# Altium PCB 2.PcbDoc (part 21 of 22)
Units mm, origin at the board's own origin, x right, y up, seen from the top; angles counter-clockwise.
Board outline 175 x 155 mm, 16 copper layers (1_Top, 2_int1_(gnd), 3_int2_(power), 4_int3_(gnd), 5_int4_(sign), 6_int5_(power), 7_int6_(sign), 8_int7_(power), 9_int8_(gnd), 10_int9_(sign), 11_int10_(gnd), 12_int11_(sign), 13_int12_(gnd), 14_int13_(power), 15_int14_(gnd), 16_Bottom), stack 2.008 mm thick; 1046 components, 837 nets, 6010 pads, 4016 vias.
Unrouted connection lines stored in the file: 564.
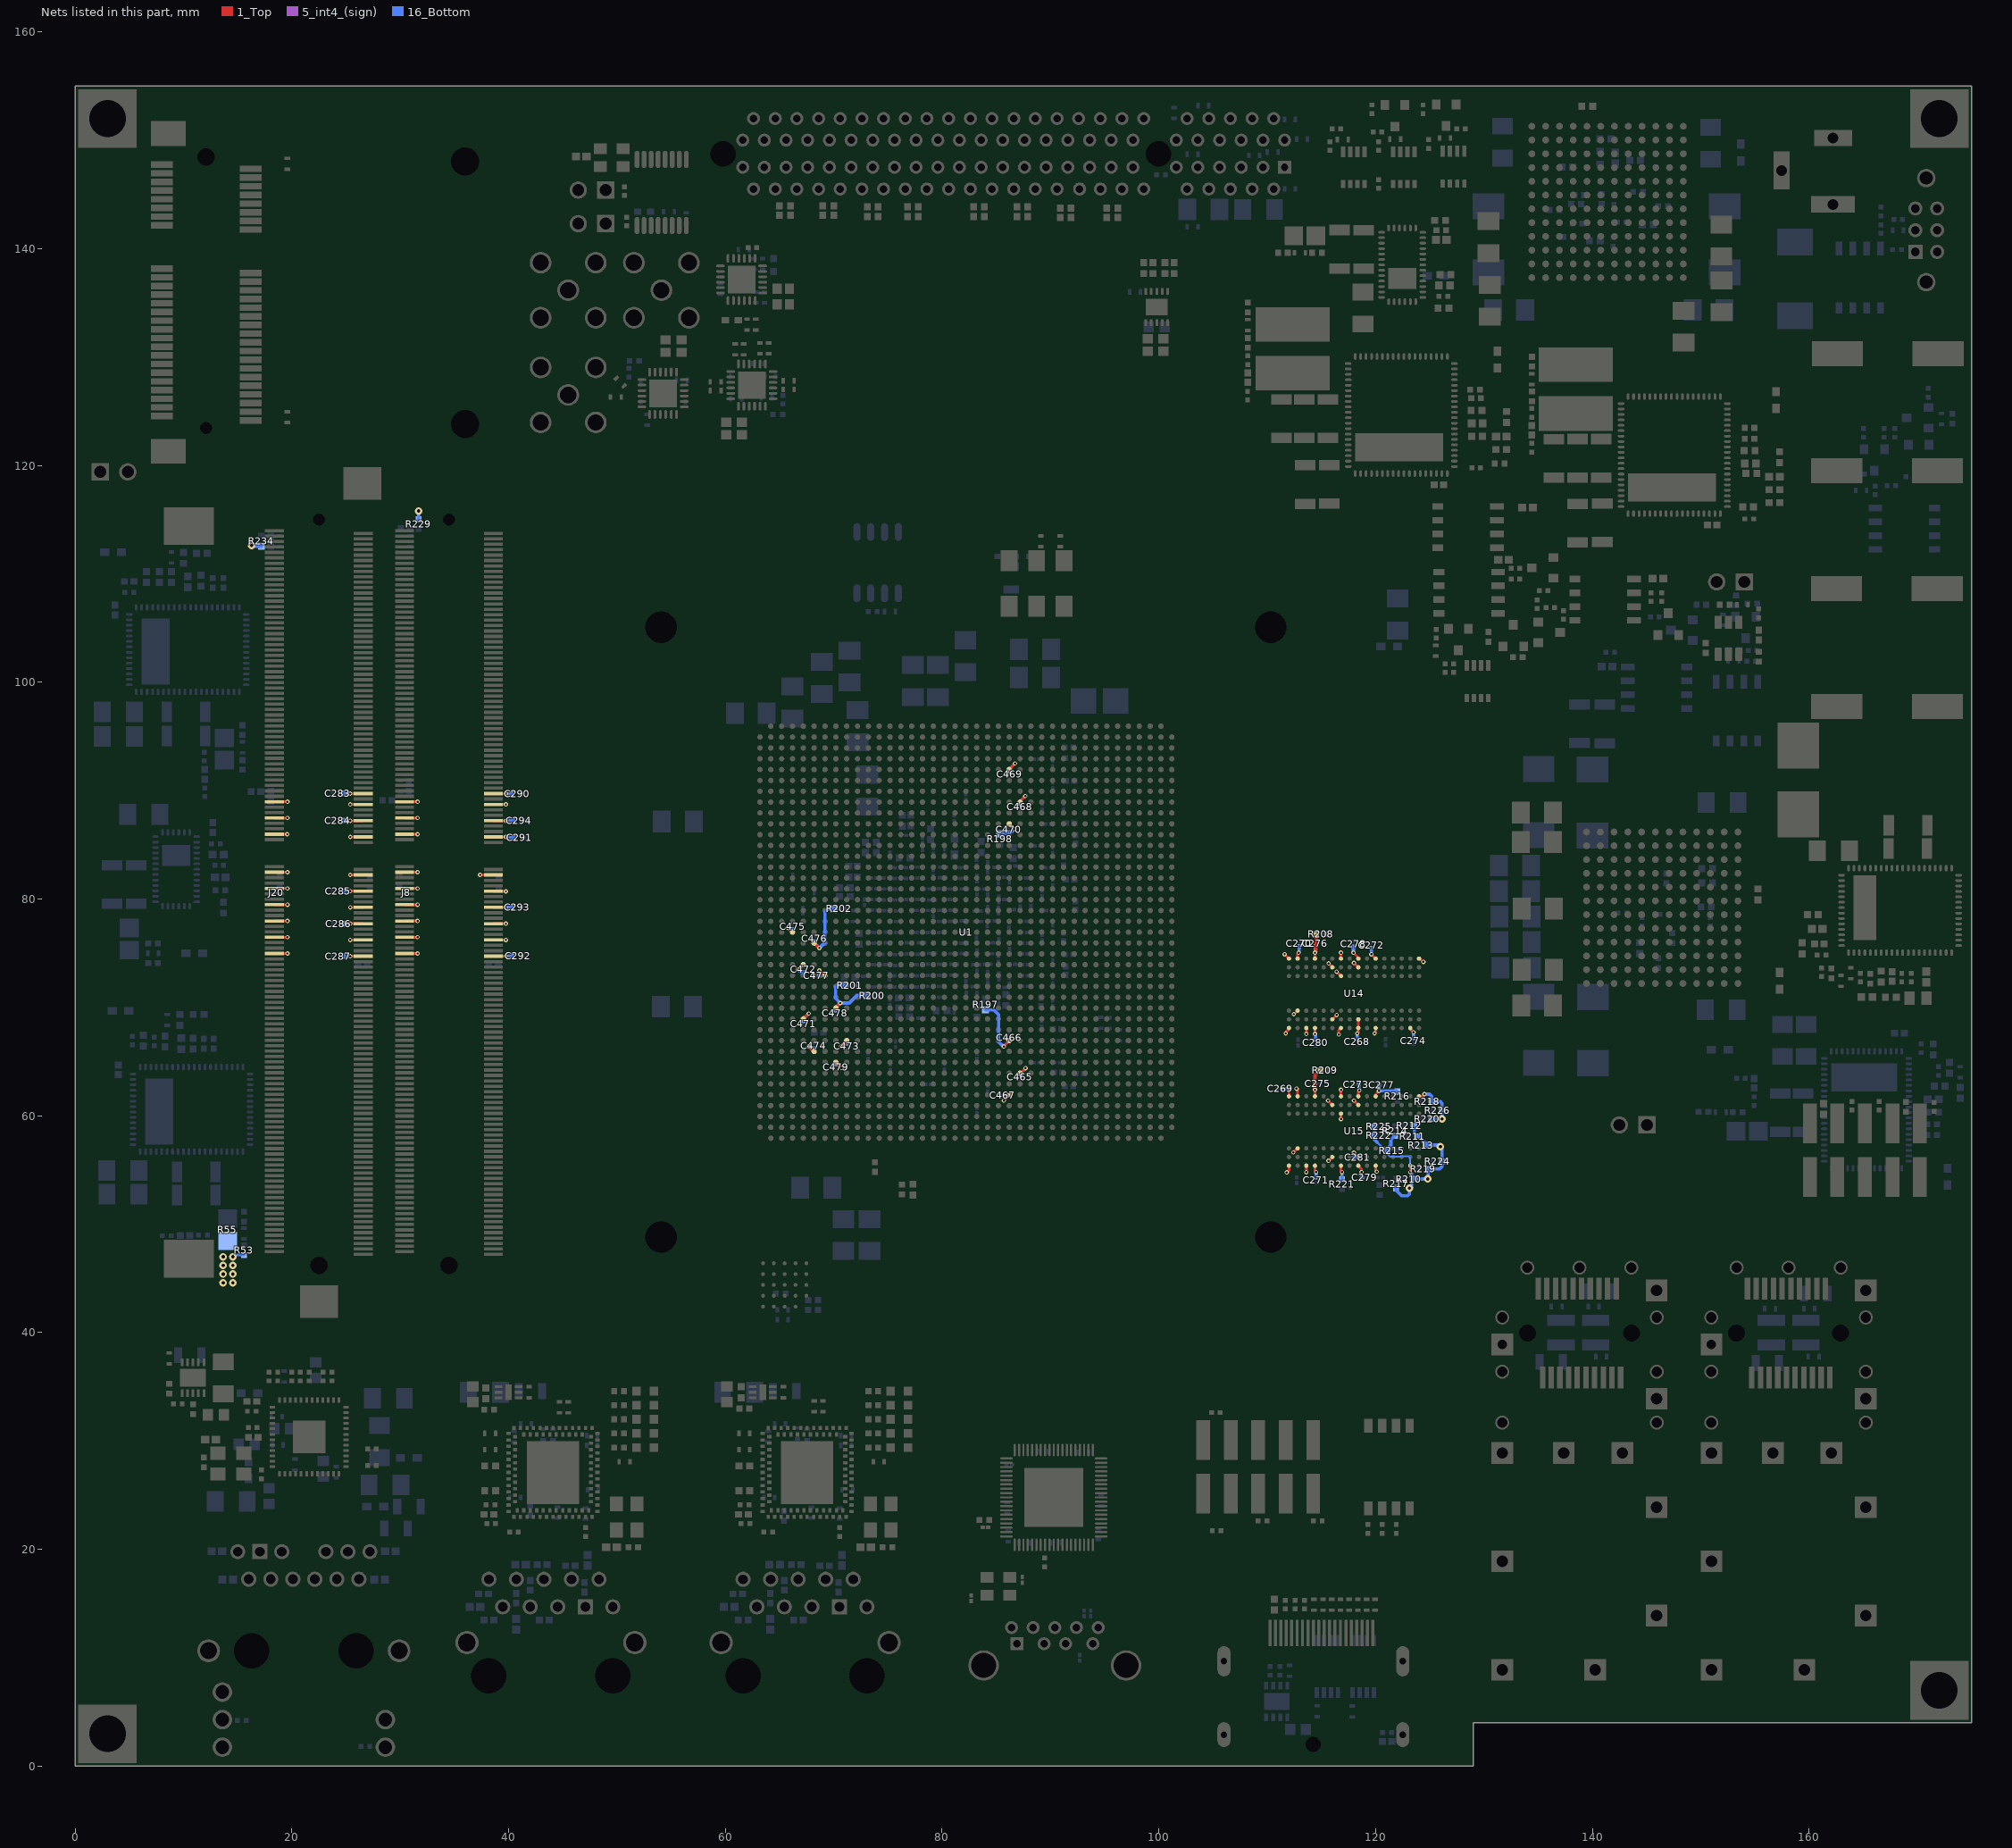
[diagram p35: the nets of this part, all layers, seen from the top]

## Via types
v1: diameter 0.4, hole 0.2, 1_Top to 16_Bottom, tented both sides, 1658 vias
v2: diameter 0.5, hole 0.2, 1_Top to 16_Bottom, tented both sides, 1014 vias
v3: diameter 0.7, hole 0.3, 1_Top to 16_Bottom, tented both sides, 915 vias
v4: diameter 0.6, hole 0.2, 1_Top to 16_Bottom, tented both sides, 278 vias
v5: diameter 0.4, hole 0.2, 1_Top to 16_Bottom, 100 vias
v6: diameter 0.4/0/0/0/0/0/0/0/0/0/0/0/0/0/0/0.4 (per signal layer), hole 0.2, 1_Top to 16_Bottom, tented both sides, 18 vias
v7: diameter 0.4/0/0/0/0/0/0/0/0/0/0/0.4/0.4/0.4/0.4/0.4 (per signal layer), hole 0.2, 1_Top to 16_Bottom, tented both sides, 16 vias
v8: diameter 0.5, hole 0.254, 1_Top to 16_Bottom, tented both sides, 15 vias
v9: diameter 0.5, hole 0.2, 1_Top to 16_Bottom, 2 vias

## Nets (pads, with @x,y where several pads share a name; then routed paths per layer and width w, separated by ;. In a path a pad name is that pad's centre, name@x,y a point inside that pad or via, vN(x,y) a via of type N, cw(c..) or ccw(c..) an arc to the next point about the centre after c; other vN are vias at no path point) (continued)
VDD_DDR: C268.2 C269.2 C270.2 C271.2 C272.2 C273.2 C274.2 C275.2 C276.2 C277.2 C278.2 C279.2 C280.2 C281.2 C283.1 C284.1 C285.1 C286.1 C287.1 C290.1 C291.1 C292.1 C293.1 C294.1 C465.2 C466.2 C467.2 C468.2 C469.2 C470.2 C471.2 C472.2 C473.2 C474.2 C475.2 C476.2 C477.2 C478.2 C479.2 J8.111 J8.112 J8.117 J8.118 J8.123 J8.124 J8.129 J8.130 J8.135 J8.136 J8.141 J8.142 J8.147 J8.148 J8.153 J8.154 J8.159 J8.160 J8.163 J20.111 J20.112 J20.117 J20.118 J20.123 J20.124 J20.129 J20.130 J20.135 J20.136 J20.141 J20.142 J20.147 J20.148 J20.153 J20.154 J20.159 J20.160 J20.163 R53.2 R55.1 R197.1 R198.1 R200.1 R201.1 R202.1 R208.2 R209.2 R210.2 R211.1 R212.1 R213.1 R214.1 R215.1 R216.1 R217.1 R218.1 R219.1 R220.1 R221.1 R222.1 R224.1 R225.1 R226.1 R229.1 R234.1 U1.AA6 U1.AC5 U1.AD7 U1.AG8 U1.AH5 U1.AK9 U1.AK24 U1.AL6 U1.AM8 U1.AN25 U1.AR24 U1.E24 U1.H25 U1.K24 U1.Y4 U14.A1 U14.A9 U14.B3 U14.B9 U14.C1 U14.D1 U14.D9 U14.F2 U14.F8 U14.G1 U14.G7 U14.G9 U14.J1 U14.J2 U14.J8 U14.J9 U14.L1 U14.L9 U14.R1 U14.T9 U15.A1 U15.A9 U15.B3 U15.B9 U15.C1 U15.D1 U15.D9 U15.F2 U15.F8 U15.G1 U15.G7 U15.G9 U15.J1 U15.J2 U15.J8 U15.J9 U15.L1 U15.L9 U15.R1 U15.T9 | length 155.2
  1_Top w0.25: J20.112@18.4,74.975 v1(19.602,74.975) ; J20.118@18.4,76.475 v1(19.602,76.475) ; J20.124@18.4,77.975 v1(19.602,77.975) ; J20.130@18.4,79.475 v1(19.602,79.475) ; J20.136@18.4,80.975 v1(19.602,80.975) ; J20.142@18.4,82.475 v1(19.602,82.475) ; J20.148@18.4,85.975 v1(19.572,85.975) ; J20.154@18.4,87.475 v1(19.602,87.475) ; J20.160@18.4,88.975 v1(19.602,88.975) ; v1(25.398,74.725) J20.111@26.6,74.725 ; v1(25.398,76.225) J20.117@26.6,76.225 ; v1(25.398,77.725) J20.123@26.6,77.725 ; v1(25.398,79.225) J20.129@26.6,79.225 ; v1(25.398,80.725) J20.135@26.6,80.725 ; v1(25.398,82.225) J20.141@26.6,82.225 ; v1(25.398,85.725) J20.147@26.6,85.725 ; v1(25.398,87.225) J20.153@26.6,87.225 ; v1(25.398,88.725) J20.159@26.6,88.725 ; v1(25.398,89.725) J20.163@26.6,89.725 ; J8.112@30.4,74.975 v1(31.602,74.975) ; J8.118@30.4,76.475 v1(31.602,76.475) ; J8.124@30.4,77.975 v1(31.602,77.975) ; J8.130@30.4,79.475 v1(31.602,79.475) ; J8.136@30.4,80.975 v1(31.602,80.975) ; J8.142@30.4,82.475 v1(31.602,82.475) ; J8.148@30.4,85.975 v1(31.602,85.975) ; J8.154@30.4,87.475 v1(31.602,87.475) ; J8.160@30.4,88.975 v1(31.602,88.975) ; v1(37.375,82.225) J8.141@38.6,82.225 ; J8.111@38.6,74.725 v1(39.75,74.725) ; J8.117@38.6,76.225 v1(39.75,76.225) ; J8.123@38.6,77.725 v1(39.75,77.725) ; J8.129@38.6,79.225 v1(39.725,79.225) ; J8.135@38.6,80.725 J8.135@38.621,80.704 ; J8.147@38.6,85.725 v1(39.75,85.725) ; J8.153@38.6,87.225 v1(39.75,87.225) ; J8.159@38.6,88.725 v1(39.75,88.725) ; J8.163@38.6,89.725 v1(39.75,89.725) ; v1(39.752,80.704) J8.135@38.621,80.704 ; v1(65.725,77.35) 65.725,77.311 65.822,77.311 U1.Y4@66.194,76.939 U1.Y4@66.161,76.939 ; v1(66.7,73.5) 67.139,73.939 U1.AC5@67.194,73.939 U1.AC5@67.194,73.919 ; U1.AH5@67.194,68.939 v1(67.694,69.439) ; v1(85.7,61.4) 85.7,61.445 U1.AR24@86.194,61.939 ; v1(85.7,66.4) 85.7,66.445 U1.AK24@86.194,66.939 ; U1.K24@86.194,86.939 86.683,86.45 v1(86.7,86.45) ; U1.E24@86.194,91.939 86.725,92.47 v1(86.725,92.5) ; U1.AN25@87.194,63.939 87.239,63.939 v1(87.7,64.4) ; U1.H25@87.194,88.939 87.194,89.019 v1(87.675,89.5) ; v1(111.6,74.9) U14.A9@112,74.5 ; v1(111.7,67.6) 111.7,67.7 112,68 U14.A1@112,68.1 ; v1(111.8,54.775) 112,54.975 U15.A1@112,55.4 ; U15.A9@112,61.8 v1(112,62.5) ; v1(112.4,56.622) 112.778,57 U15.B3@112.8,57 ; v1@112.439,69.383 v1(112.45,69.372) 112.461,69.361 U14.B3@112.8,69.7 ; v1(112.7,62.5) 112.8,62.5 U15.B9@112.8,61.8 ; U14.B9@112.8,74.5 112.8,74.95 v1(112.9,75.05) ; v1(113.6,54.8) U15.C1@113.6,55.4 ; v1(113.6,67.55) U14.C1@113.6,68.1 ; U15.D1@114.4,55.4 114.4,54.9 v1(114.5,54.8) ; U15.D9@114.4,61.8 v1(114.4,62.4) ; v1(114.4,67.55) U14.D1@114.4,68.1 ; U14.D9@114.4,74.5 v1(114.4,75.05) ; v1(115.6,61.4) U15.F8@116,61 ; v1(115.65,55.85) U15.F2@116,56.2 ; v1(115.661,74.061) 115.661,74.039 U14.F8@116,73.7 ; U14.F2@116,68.9 v1(116.4,69.3) ; v1(116.4,73.3) U14.G7@116.8,72.9 ; v1(116.6,67.5) 116.6,67.9 U14.G1@116.8,68.1 ; U15.G1@116.8,55.4 116.8,54.9 v1(116.9,54.8) ; v1(116.8,59.7) U15.G7@116.8,60.2 ; U15.G9@116.8,61.8 v1(116.8,62.4) ; U14.G9@116.8,74.5 v1(116.8,75.05) ; v1(117.95,75.05) 118.4,74.6 U14.J9@118.4,74.5 ; v1(118,56.6) U15.J2@118.4,56.2 ; v1(118,61.4) U15.J8@118.4,61 ; v1(118,74.1) U14.J8@118.4,73.7 ; v1(118.3,67.6) 118.35,67.6 118.4,67.65 U14.J1@118.4,68.1 U14.J2@118.4,68.9 ; U15.J1@118.4,55.4 118.675,55.125 118.675,54.8 v1(118.7,54.8) ; U15.J9@118.4,61.8 118.4,62.25 v1(118.5,62.35) ; v1(119.6,74.9) U14.L9@120,74.5 ; v1(119.9,67.6) 120,67.7 U14.L1@120,68.1 ; U15.L1@120,55.4 120,54.95 v1(120.1,54.85) ; U15.L9@120,61.8 120,62 v1(120.3,62.3) ; v1(123.2,54.8) U15.R1@123.2,55.4 ; U14.R1@123.2,68.1 123.2,68 v1(123.5,67.7) ; U15.T9@124,61.8 124.3,61.8 v1(124.5,62) ; U14.T9@124,74.5 124.078,74.5 124.378,74.2 v1(124.4,74.2) ; J8.135@38.621,80.704 38.617,80.7 38.613,80.704 J8.135@38.621,80.704
  1_Top w0.3: v1(67.675,66.4) 68.136,65.939 U1.AL6@68.194,65.939 ; U1.AA6@68.194,75.939 68.194,75.931 68.65,75.475 v1(68.675,75.475) ; v1(68.675,73.4) 69.136,72.939 U1.AD7@69.194,72.939 ; U1.AM8@70.194,64.939 70.236,64.939 70.725,64.45 v1(70.725,64.425) ; U1.AG8@70.194,69.939 70.194,69.994 v1(70.6,70.4) ; v1(70.675,66.4) 70.675,66.42 U1.AK9@71.194,66.939 ; v1(114.4,62.4) 114.4,63.778 114.833,64.211 R209.2@114.891,64.211 ; v1(114.4,75.05) 114.5,75.15 114.5,76.756 R208.2@114.503,76.759
  5_int4_(sign) w0.25: v1@65.725,77.311 v1(65.725,77.35)
  16_Bottom w0.17: 120.15,57.55 120.9,56.8 R215.1@121.075,56.8 121.075,56.504 121.354,56.225 122.325,56.225 122.383,56.283 123.017,56.283 123.175,56.125 123.175,56.012 123.165,56.002 123.165,54.835 v1(123.2,54.8)
  16_Bottom w0.25: v3@14.61,47.16 R53.2@15.59,47.16 ; v1(85.7,61.4) 85.86,61.56 C467.2@85.86,61.9 ; v1(85.7,66.4) 85.7,66.44 C466.2@86.2,66.94 ; C470.2@86.175,86.165 86.415,86.165 v1(86.7,86.45) ; C469.2@86.225,91.76 86.225,92 v1(86.725,92.5) ; C468.2@87.175,88.76 87.175,89 v1(87.675,89.5) ; C465.2@87.2,63.86 87.7,64.36 v1(87.7,64.4)
  16_Bottom w0.3: v3(16.3,112.6) 16.35,112.55 R234.1@17.2,112.55 ; C284.1@24.757,87.249 24.781,87.225 v1(25.398,87.225) ; C283.1@24.757,89.764 24.796,89.725 v1(25.398,89.725) ; C287.1@24.782,74.727 24.784,74.725 v1(25.398,74.725) ; C285.1@24.782,80.721 24.786,80.725 v1(25.398,80.725) ; C286.1@24.808,77.724 C286.1@24.808,77.724 v1(25.398,77.725) ; R229.1@31.7,115.025 v3(31.7,115.8) ; v1(39.725,79.225) 39.727,79.223 C293.1@40.318,79.223 ; v1(39.75,74.725) 39.777,74.752 C292.1@40.394,74.752 ; v1(39.75,85.725) 39.801,85.674 C291.1@40.496,85.674 ; v1(39.75,87.225) 39.774,87.249 C294.1@40.47,87.249 ; v1(39.75,89.725) 39.762,89.713 C290.1@40.292,89.713 ; v1(65.725,77.35) 65.885,77.19 C475.2@66.219,77.19 ; v1(66.7,73.5) 66.96,73.24 C472.2@67.225,73.24 ; C471.2@67.225,68.735 67.225,68.97 v1(67.694,69.439) ; v1(67.675,66.4) 67.86,66.215 C474.2@68.15,66.215 ; C476.2@68.253,76.09 68.253,75.897 v1(68.675,75.475) 69.2,76 69.2,78.825 69.4,79.025 69.925,79.025 R202.1@70,79.1 ; v1(68.675,73.4) 68.685,73.39 C477.2@68.685,72.925 ; C478.2@70.15,69.735 70.15,69.95 v1(70.6,70.4) ; C479.2@70.2,64.76 70.39,64.76 v1(70.725,64.425) ; v1(70.675,66.4) 70.96,66.685 C473.2@71.2,66.685 ; R201.1@71,72.05 70.325,72.05 70.175,71.9 70.175,70.825 v1(70.6,70.4) ; R200.1@73.05,71.1 72.125,71.1 71.425,70.4 v1(70.6,70.4) ; R197.1@84,69.775 84.775,69.775 85.2,69.35 85.2,66.85 85.65,66.4 v1(85.7,66.4) ; R198.1@85.325,86.025 86.035,86.025 C470.2@86.175,86.165 ; C269.2@111.46,62.5 v1(112,62.5) ; v1(112.9,75.05) 112.95,75.1 C270.2@112.95,75.64 ; C275.2@114.39,62.95 114.39,62.41 v1(114.4,62.4) ; v1(114.4,67.55) 114.45,67.5 C280.2@114.45,67.01 ; v1(114.4,75.05) 114.425,75.075 C276.2@114.425,75.64 ; C271.2@114.5,54.335 v1@114.5,54.8 ; R221.1@116.9,54.15 v1@116.9,54.8 ; v1(117.95,75.05) C278.2@117.95,75.59 ; v1(118,56.6) 118.065,56.535 C281.2@118.065,56.175 ; C268.2@118.3,67.11 v1@118.3,67.6 ; C273.2@118.46,62.9 118.46,62.39 v1(118.5,62.35) ; v1(118.7,54.8) 118.7,54.315 C279.2@118.715,54.3 ; v1(119.6,74.9) C272.2@119.6,75.49 ; R225.1@119.875,59 R222.1@119.875,58.2 119.875,57.825 120.15,57.55 ; C277.2@120.315,62.825 120.315,62.315 v1(120.3,62.3) 121.925,62.3 R216.1@122,62.225 ; R215.1@121.075,56.8 121.075,57 121.107,57 121.4,57.293 121.4,57.707 121.375,57.732 121.375,57.782 121.768,58.175 R214.1@121.8,58.175 ; R217.1@121.87,53.325 121.87,53.145 122.385,52.63 122.96,52.63 123.1,52.77 v3(123.1,53.325) ; v3@123.15,53.25 123.325,53.425 R210.2@123.325,54.175 ; v1(123.2,54.8) 123.325,54.675 R210.2@123.325,54.175 ; C274.2@123.5,67.185 v1(123.5,67.7) ; R212.1@123.525,59.1 123.575,59.05 123.575,58.35 R211.1@123.825,58.1 123.974,58.1 124.625,57.449 R213.1@124.625,57.3 125.825,57.3 v3(125.975,57.15) 126.125,57 R224.1@126.125,55.8 126.125,55.325 125.9,55.1 R219.1@124.825,55.1 124.85,55.075 124.85,54.175 v3(124.8,54.175) R210.2@123.325,54.175 ; v1(124.5,62) 124.975,62 125.175,61.8 R218.1@125.175,61.3 125.975,61.3 126.125,61.15 R226.1@126.125,60.5 126.125,59.775 126.05,59.7 R220.1@125.175,59.7
  other v3: 13.67,44.6 14.57,44.6 13.67,45.4 14.57,45.4 13.67,46.2 14.57,46.2 13.67,47 14.57,47 126.125,59.7
pads on no net: D3.5 D3.6 D4.5 D4.6 J6.15 J6.17 J6.25 J7.2 J7.3 J7.5 J7.6 J7.7 J7.8 J7.9 J7.MH1 J7.MH2 J8.87 J8.88 J8.91 J8.92 J8.95 J8.96 J8.97 J8.100 J8.101 J8.104 J8.105 J8.110 J8.134 J8.157 J8.161 J8.162 J8.165 J8.MH1 J8.MH2 J9.MH1 J9.MH2 J10.MH1 J10.MH2 J11.15 J11.MH1 J11.MH2 J12.6 J12.8 J13.3 J13.5 J13.6 J13.8 J13.10 J13.12 J13.14 J13.16 J13.17 J13.19 J13.24 J13.28 J13.39 J13.41 J13.42 J13.45 J13.46 J13.47 J13.48 J13.49 J13.51 J13.MH1 J13.MH2 J14.A5 J14.A6 J14.A7 J14.A8 J14.A19 J14.A32 J14.A33 J14.B5 J14.B9 J14.B11 J14.B12 J14.B30 J14.MH1 J14.MH2 J20.87 J20.88 J20.91 J20.92 J20.95 J20.96 J20.97 J20.100 J20.101 J20.104 J20.105 J20.110 J20.134 J20.157 J20.161 J20.162 J20.165 J20.MH1 J20.MH2 J21.2 J21.3 J21.4 J21.5 J21.6 J21.7 J21.8 J21.9 J21.MH1 J21.MH2 SW1.3 SW1.4 SW1.5 SW1.6 SW1.MH1 SW1.MH2 SW2.1 U1.A2 U1.A3 U1.A4 U1.A5 U1.A10 U1.A14 U1.A15 U1.A17 U1.A18 U1.A28 U1.A32 U1.A33 U1.AC2 U1.AC3 U1.AC7 U1.AC8 U1.AC9 U1.AC11 U1.AD8 U1.AD9 U1.AD10 U1.AE7 U1.AE10 U1.AE11 U1.AE20 U1.AF7 U1.AF9 U1.AF10 U1.AF14 U1.AF15 U1.AF17 U1.AF20 U1.AG5 U1.AG6 U1.AG14 U1.AG15 U1.AG16 U1.AG17 U1.AG20 U1.AG21 U1.AG22 U1.AG24 U1.AH6 U1.AH12 U1.AH13 U1.AH14 U1.AH21 U1.AH22 U1.AH30 U1.AH31 U1.AH39 U1.AJ5 U1.AJ6 U1.AJ11 U1.AJ13 U1.AJ14 U1.AJ15 U1.AJ20 U1.AJ21 U1.AJ32 U1.AJ33 U1.AJ36 U1.AJ37 U1.AK6 U1.AK13 U1.AK15 U1.AK20 U1.AK21 U1.AK22 U1.AK30 U1.AK31 U1.AK34 U1.AK35 U1.AL2 U1.AL14 U1.AL20 U1.AL22 U1.AL24 U1.AL32 U1.AL33 U1.AM2 U1.AM11 U1.AM14 U1.AM21 U1.AM22 U1.AM30 U1.AM31 U1.AM34 U1.AM35 U1.AM38 U1.AM39 U1.AN2 U1.AN8 U1.AN11 U1.AN21 U1.AN22 U1.AN28 U1.AN29 U1.AN32 U1.AN33 U1.AN36 U1.AN37 U1.AP1 U1.AP10 U1.AP21 U1.AP24 U1.AP30 U1.AP31 U1.AP34 U1.AP35 U1.AP38 U1.AP39 U1.AR7 U1.AR10 U1.AR11 U1.AR21 U1.AR22 U1.AR23 U1.AR28 U1.AR29 U1.AR32 U1.AR33 U1.AR36 U1.AR37 U1.AT2 U1.AT7 U1.AT8 U1.AT9 U1.AT10 U1.AT12 U1.AT13 U1.AT22 U1.AT34 U1.AT35 U1.AT38 U1.AT39 U1.AU7 U1.AU10 U1.AU11 U1.AU12 U1.AU21 U1.AU22 U1.AU36 U1.AU37 U1.AV1 U1.AV2 U1.AV3 U1.AV7 U1.AV8 U1.AV21 U1.AV29 U1.AV30 U1.AV34 U1.AV35 U1.AV38 U1.AV39 U1.AW2 U1.AW3 U1.AW8 U1.AW20 U1.AW23 U1.AW30 U1.B1 U1.B4 U1.B5 U1.B6 U1.B7 U1.B14 U1.B15 U1.B16 U1.B21 U1.B24 U1.B26 U1.B30 U1.B31 U1.C1 U1.C2 U1.C3 U1.C4 U1.C6 U1.C7 U1.C8 U1.C11 U1.C12 U1.C16 U1.C17 U1.C18 U1.C19 U1.C21 U1.C22 U1.C23 U1.C25 U1.C26 U1.C32 U1.C33 U1.D1 U1.D3 U1.D4 U1.D5 U1.D6 U1.D8 U1.D10 U1.D11 U1.D18 U1.D19 U1.D20 U1.D21 U1.D23 U1.D34 U1.D35 U1.D38 U1.D39 U1.E1 U1.E2 U1.E3 U1.E5 U1.E6 U1.E7 U1.E8 U1.E10 U1.E11 U1.E12 U1.E13 U1.E15 U1.E16 U1.E17 U1.E18 U1.E21 U1.E22 U1.E26 U1.E36 U1.E37 U1.F2 U1.F3 U1.F4 U1.F5 U1.F7 U1.F8 U1.F9 U1.F10 U1.F12 U1.F13 U1.F14 U1.F15 U1.F17 U1.F25 U1.F34 U1.F35 U1.F38 U1.F39 U1.G1 U1.G2 U1.G4 U1.G5 U1.G6 U1.G7 U1.G9 U1.G10 U1.G11 U1.G12 U1.G14 U1.G16 U1.G24 U1.G36 U1.G37 U1.H1 U1.H2 U1.H3 U1.H4 U1.H6 U1.H7 U1.H8 U1.H9 U1.H11 U1.H12 U1.H13 U1.H14 U1.H16 U1.H17 U1.H21 U1.H22 U1.H23 U1.H34 U1.H35 U1.H38 U1.H39 U1.J1 U1.J3 U1.J4 U1.J5 U1.J6 U1.J8 U1.J9 U1.J10 U1.J11 U1.J13 U1.J14 U1.J15 U1.J16 U1.J18 U1.J19 U1.J20 U1.J21 U1.J23 U1.J26 U1.J36 U1.J37 U1.K1 U1.K2 U1.K3 U1.K5 U1.K6 U1.K7 U1.K8 U1.K10 U1.K11 U1.K12 U1.K13 U1.K15 U1.K16 U1.K17 U1.K18 U1.K22 U1.K23 U1.K25 U1.K30 U1.K31 U1.K34 U1.K35 U1.K38 U1.K39 U1.L2 U1.L3 U1.L4 U1.L5 U1.L7 U1.L8 U1.L9 U1.L10 U1.L12 U1.L13 U1.L14 U1.L15 U1.L17 U1.L18 U1.L19 U1.L20 U1.L22 U1.L23 U1.L24 U1.L28 U1.L29 U1.L32 U1.L33 U1.L36 U1.L37 U1.M1 U1.M2 U1.M4 U1.M5 U1.M6 U1.M7 U1.M9 U1.M10 U1.M11 U1.M12 U1.M14 U1.M17 U1.M19 U1.M20 U1.M21 U1.M22 U1.M30 U1.M31 U1.M34 U1.M35 U1.M38 U1.M39 U1.N1 U1.N2 U1.N3 U1.N4 U1.N6 U1.N7 U1.N8 U1.N9 U1.N11 U1.N12 U1.N13 U1.N14 U1.N19 U1.N20 U1.N22 U1.N23 U1.N28 U1.N29 U1.N32 U1.N33 U1.N36 U1.N37 U1.P1 U1.P3 U1.P4 U1.P5 U1.P6 U1.P8 U1.P9 U1.P10 U1.P11 U1.P14 U1.P15 U1.P19 U1.P20 U1.P30 U1.P31 U1.P34 U1.P35 U1.P38 U1.P39 U1.R1 U1.R2 U1.R3 U1.R5 U1.R6 U1.R7 U1.R8 U1.R10 U1.R11 U1.R28 U1.R29 U1.R32 U1.R33 U1.R36 U1.R37 U1.T2 U1.T3 U1.T4 U1.T5 U1.T7 U1.T8 U1.T9 U1.T30 U1.T31 U1.T34 U1.T35 U1.T38 U1.T39 U1.U1 U1.U2 U1.U4 U1.U5 U1.U6 U1.U7 U1.U9 U1.U10 U1.U11 U1.U32 U1.U33 U1.U36 U1.U37 U1.V1 U1.V2 U1.V3 U1.V4 U1.V6 U1.V7 U1.V8 U1.V9 U1.V11 U1.V30 U1.V31 U1.V34 U1.V35 U1.V38 U1.V39 U1.W3 U1.W4 U1.W5 U1.W6 U1.W9 U1.W10 U1.W15 U1.W16 U1.W28 U1.W29 U1.W32 U1.W33 U1.W36 U1.W37 U1.Y7 U1.Y30 U1.Y31 U2.1 U2.2 U2.3 U2.4 U2.5 U2.6 U2.7 U2.8 U2.9 U2.10 U2.11 U2.12 U2.13 U2.14 U2.15 U2.25 U2.26 U2.27 U2.44 U2.45 U2.48 U2.49 U2.54 U2.56 U2.59 U2.62 U2.63 U2.64 U2.65 U2.66 U2.67 U2.68 U3.1 U3.2 U3.3 U3.4 U3.5 U3.6 U3.7 U3.8 U3.9 U3.10 U3.11 U3.12 U3.13 U3.14 U3.15 U3.16 U3.17 U3.18 U3.19 U3.29 U3.30 U3.31 U3.52 U3.53 U3.56 U3.57 U3.59 U3.62 U3.64 U3.67 U3.70 U3.71 U3.72 U3.73 U3.74 U3.75 U3.76 U4.1 U4.2 U4.3 U4.4 U4.5 U4.6 U4.7 U4.8 U4.9 U4.10 U4.11 U4.12 U4.13 U4.14 U4.15 U4.25 U4.26 U4.27 U4.44 U4.45 U4.48 U4.49 U4.54 U4.56 U4.59 U4.62 U4.63 U4.64 U4.65 U4.66 U4.67 U4.68 U5.1 U5.2 U5.3 U5.4 U5.5 U5.6 U5.7 U5.8 U5.9 U5.10 U5.11 U5.12 U5.13 U5.14 U5.15 U5.25 U5.26 U5.27 U5.44 U5.45 U5.48 U5.49 U5.54 U5.56 U5.59 U5.62 U5.63 U5.64 U5.65 U5.66 U5.67 U5.68 U6.1 U6.2 U6.3 U6.4 U6.12 U6.22 U6.23 U6.24 U6.25 U6.29 U6.34 U6.35 U6.36 U6.37 U6.38 U7.1 U7.2 U7.3 U7.4 U7.5 U7.6 U7.7 U7.8 U7.9 U7.10 U7.11 U7.12 U7.13 U7.14 U7.15 U7.16 U7.17 U7.18 U7.19 U7.29 U7.30 U7.31 U7.52 U7.53 U7.56 U7.57 U7.62 U7.64 U7.67 U7.70 U7.71 U7.72 U7.73 U7.74 U7.75 U7.76 U8.1 U8.2 U8.3 U8.4 U8.12 U8.22 U8.23 U8.24 U8.25 U8.29 U8.34 U8.35 U8.36 U8.37 U8.38 U10.A5 U10.B10 U10.C10 U10.D8 U10.D10 U10.E4 U10.E10 U10.E11 U10.F4 U10.F5 U10.F6 U10.F9 U10.G9 U10.H4 U10.H5 U10.H6 U10.H9 U10.H11 U10.J6 U10.J8 U10.J9 U10.K10 U10.L10 U10.M5 U11.13 U11.43 U11.45 U11.47 U12.1 U12.2 U12.3 U12.4 U12.5 U12.6 U12.7 U12.8 U12.9 U12.10 U12.11 U12.12 U12.13 U12.14 U12.15 U12.16 U12.25 U12.26 U12.27 U12.28 U12.47 U12.48 U12.55 U12.59 U12.61 U12.63 U12.64 U12.65 U12.66 U12.67 U12.68 U13.1 U13.2 U13.3 U13.7 U13.8 U14.T7 U15.T7 U16.1 U16.6 U16.7 U17.A2 U17.A4 U17.A5 U17.A7 U17.A20 U17.A26 U17.A27 U17.A28 U17.A43 U17.A45 U17.A47 U17.A48 U17.A49 U17.A50 U17.A51 U17.B1 U17.B2 U17.B4 U17.B11 U17.B18 U17.B21 U17.B22 U17.B25 U17.B26 U17.B33 U17.B37 U17.B39 U17.B40 U17.B42 U17.B43 U17.B44 U20.A2 U20.A4 U20.A5 U20.A7 U20.A20 U20.A26 U20.A27 U20.A28 U20.A43 U20.A45 U20.A47 U20.A48 U20.A49 U20.A50 U20.A51 U20.B1 U20.B2 U20.B4 U20.B11 U20.B18 U20.B21 U20.B22 U20.B25 U20.B26 U20.B33 U20.B37 U20.B39 U20.B40 U20.B42 U20.B43 U20.B44 U23.A5 U23.B10 U23.C10 U23.D8 U23.D10 U23.E10 U23.E11 U23.F9 U23.G9 U23.H4 U23.H5 U23.H6 U23.H11 U23.J6 U23.J8 U23.J9 U23.K10 U23.L10 U23.M5 U25.7 U26.A2 U26.A3 U26.A4 U26.A5 U26.B1 U26.B5 U26.C1 U26.C3 U26.C5 U26.D1 U26.D5 U26.E1 U26.E2 U26.E3 U26.E4 U26.E5 U27.5 U28.13 U28.14 U28.17 U28.18 U28.21 U28.22 U30.5 U30.9 U30.10 U30.13 U30.17 U30.18 U30.21 U30.22 U31.2 U31.4 U31.6 U31.11 U31.13 U31.15 U32.1 U32.2 U33.17 U33.18
copper on no net: | length 0.2
  1_Top w0.25: 69.114,61.939 69.194,61.939 ; 69.114,76.939 69.194,76.939
  1_Top w0.3: 143.255,79.83 143.265,79.83
  other v5: 48.1,19.9 44.2,34.2 98.8,57.4 99.7,57.4 99.7,58.5 94.7,60.4 115,75.1

## Polygon pours and split planes (outlines as drawn)
A10_12V on 16_Bottom "Top_A10_12V" (solid, pour order 23): 155.64,67.86 152.04,67.86 152.04,90.62 151.08,91.58 151.08,98.58 152.04,98.58 155.64,98.58 160,98.58 160,80.54 158.04,80.54 158.04,74.5 155.64,72.1
MAIN_12V on 16_Bottom "16_Bottom_MAIN_12V" (solid, pour order 24): 130.05,152.925 130.05,154.125 152.83,154.125 152.83,149.925 144.05,149.925 144.05,151.175 139.8,151.175 139.8,150.425 139.8,149.925 130.05,149.925 130.05,152.675
3V3 on 16_Bottom "16_Bottom_3V3" (solid, pour order 26): 128.15,139.85 138.15,139.85 148.9,139.85 154.4,139.85 154.4,135.85 150.4,135.85 150.4,133.19 147.07,133.19 136.17,133.19 132.61,133.19 132.61,135.85 128.15,135.85
GND on 16_Bottom "16_Bottom_GND" (solid, remove dead copper, pour order 153): 0,0 129,0 129,4 175,4 175,155 0,155
A10_0V9 on 16_Bottom "16_Bottom_A10_0V9" (solid, pour order 25): 141.91,88.6 141.91,82.62 140.55,82.62 140.55,75.74 141.91,75.74 141.91,69.69 137.89,69.69 133.49,69.69 133.49,73.48 133.49,82.78 133.49,88.6 137.89,88.6
MAIN_12V on 16_Bottom "16_Bottom_MAIN_12V" (solid, pour order 22): 156.8,136.1 162.1,136.1 162.1,138.5 162.1,138.6 167.2,138.6 167.2,133.925 167.2,132.4 163.9,129.1 163.9,125.3 168.225,125.3 168.225,123.975 168.225,123.84 163.95,123.84 163.95,119.6 163.95,115.3 166.9,115.3 166.9,111.5 166.8,111.4 163.1,111.4 158.3,111.4 158.3,131.7 156.7,131.7 156.5,131.7 156.5,133.925 156.5,136.1 156.7,136.1
NetC73_2 on 16_Bottom "16_Bottom-No Net" (solid, pour order 20): 156.4,142.6 156.4,138.9 166,138.9 168.1,138.9 168.1,139.44 168.1,140.175 167.6,140.175 167.25,140.175 167.25,139.2 165.9,139.2 165.9,146.3 158.7,146.3 158.7,144.5 156.4,144.5
PLL_1V8 on 6_int5_(power) "6_PLL_1V8" (solid, pour order 97): 133.825,108.95 133.825,105.15 133.825,51.225 87.375,51.225 83.9,54.7 83.9,66.337 75.4,66.337 75.4,75.1 75.4,85.5 75.4,86.4 84.5,86.4 84.5,91.6 82.186,93.914 81.9,94.2 80.1,94.2 80.15,94.8 80.15,105.15 80.15,108.95